# KiCad board pq-register.kicad_pcb
title: P&Q Register; date: 2026-06-28; rev: A; company: © 2026 Sam Hanes, licensed CERN-OHL-W v2; note: https://github.com/Elemecca/lgp21-mini
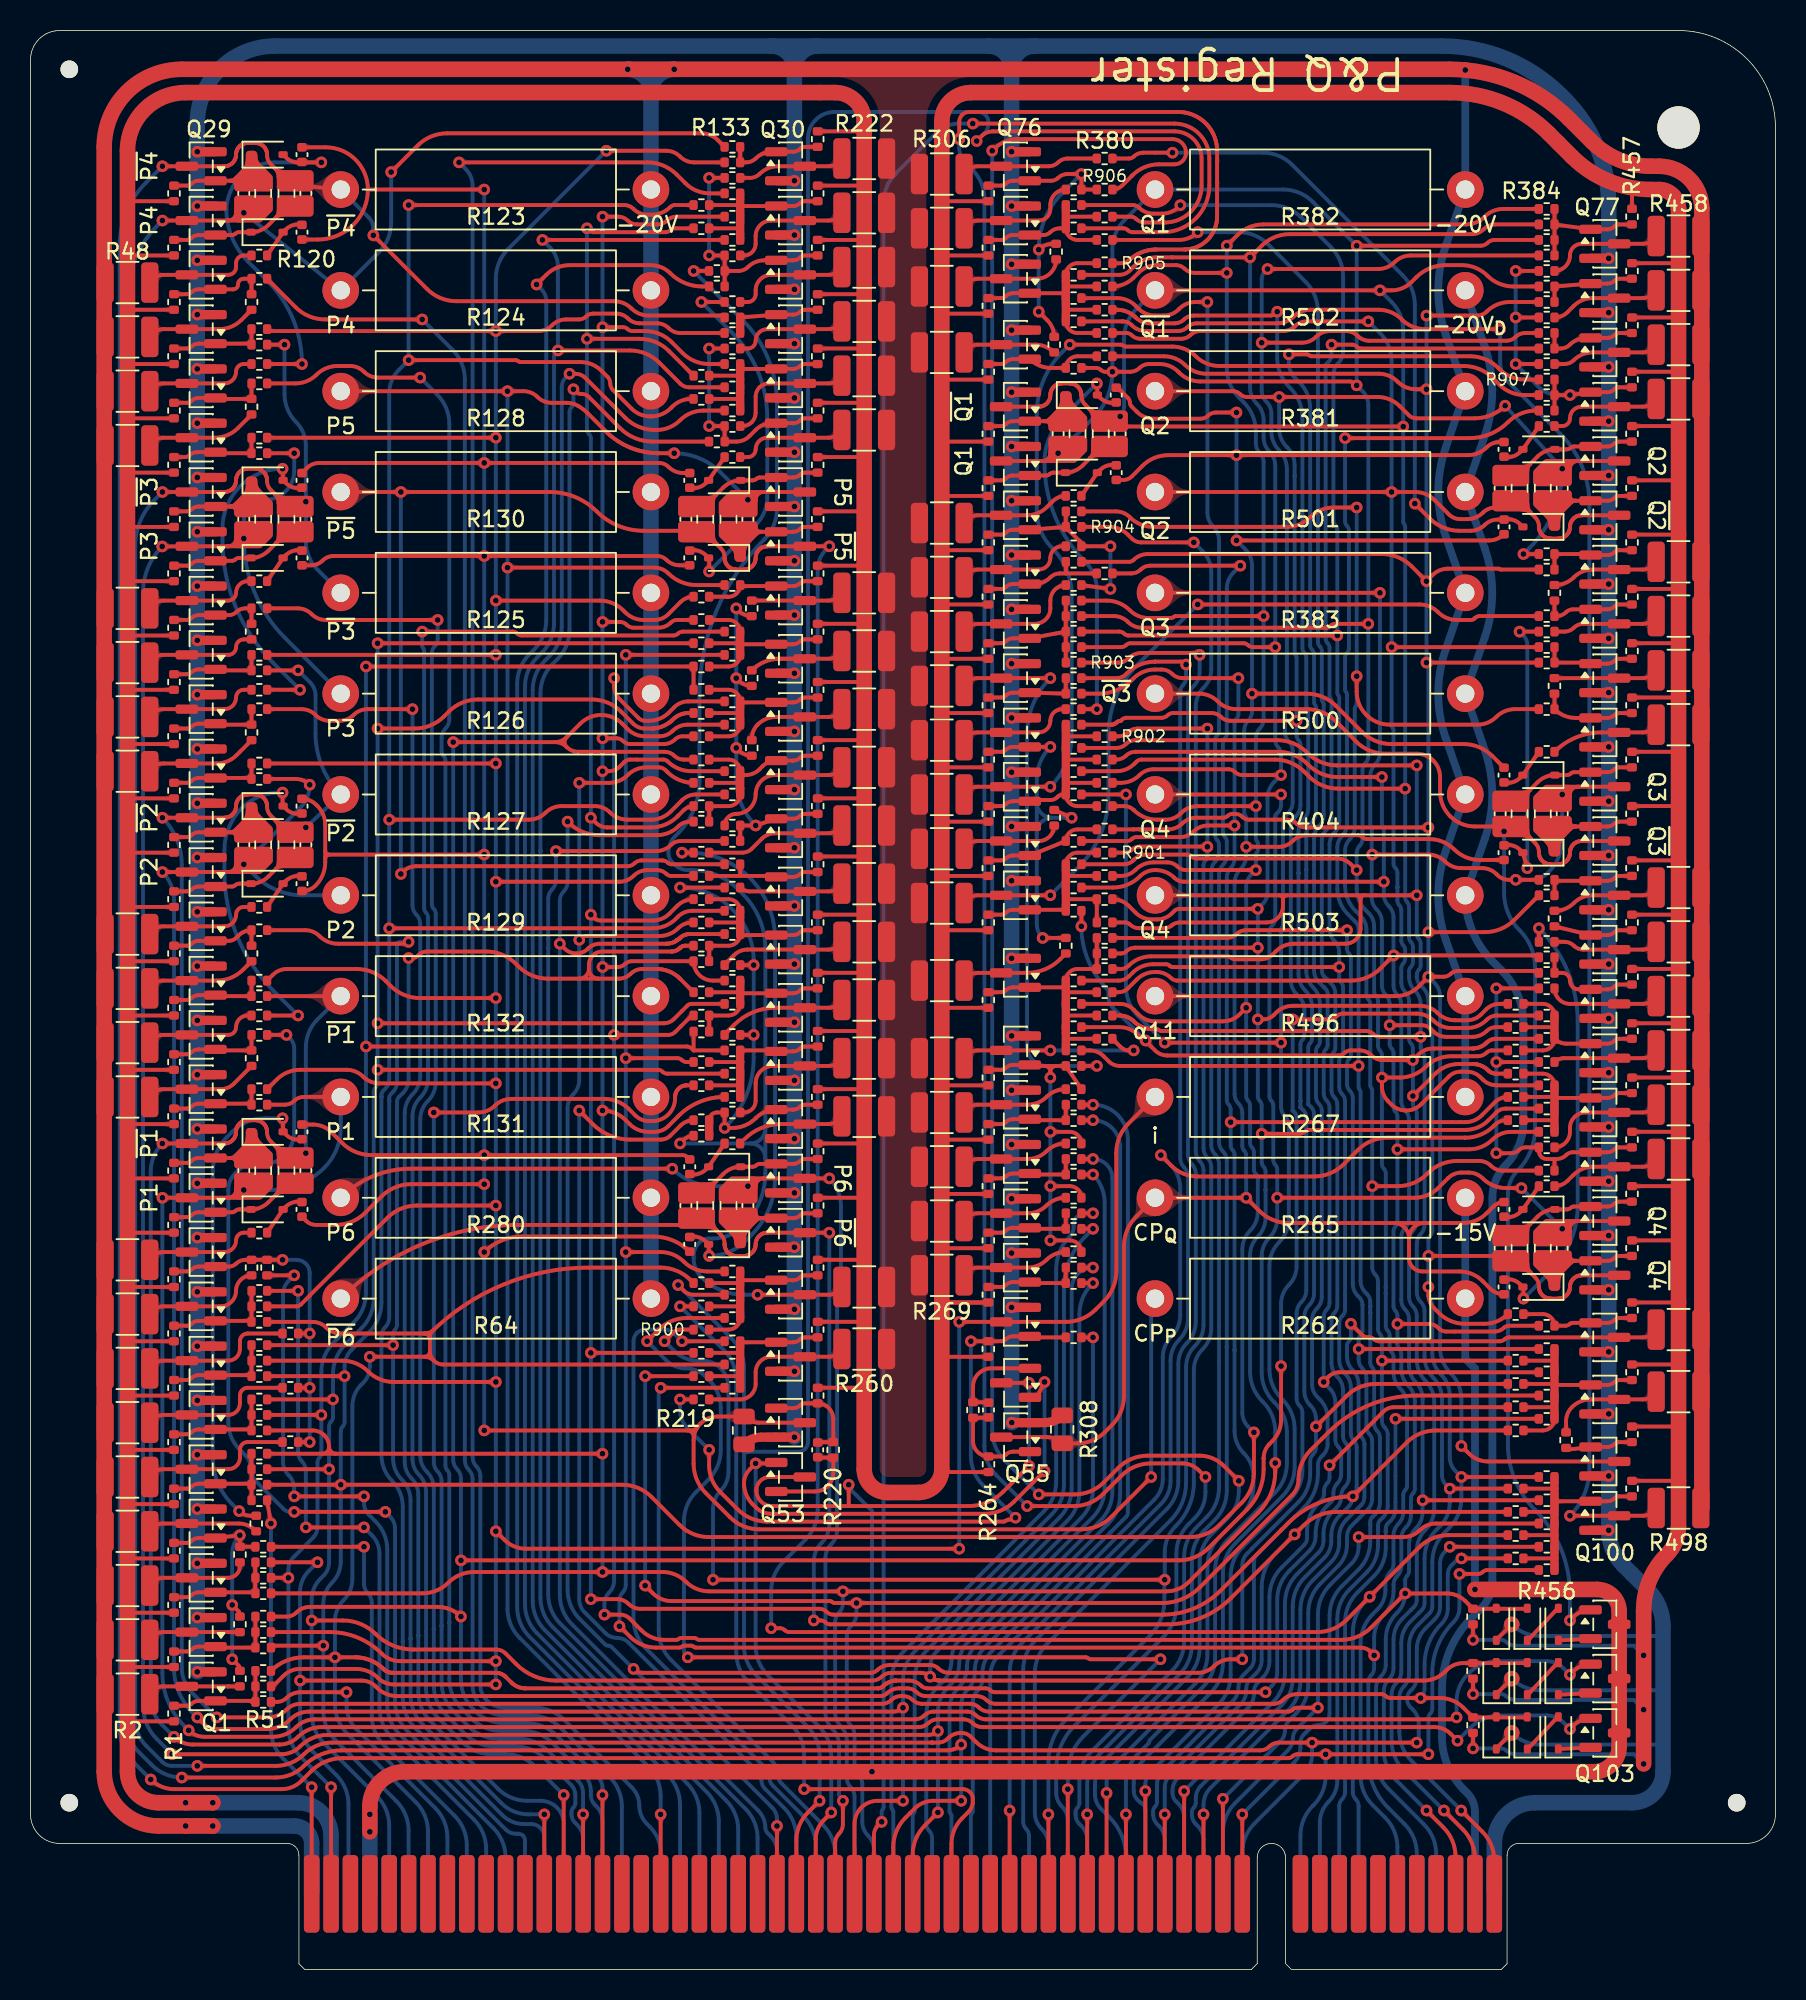
[diagram p0: board, top side]
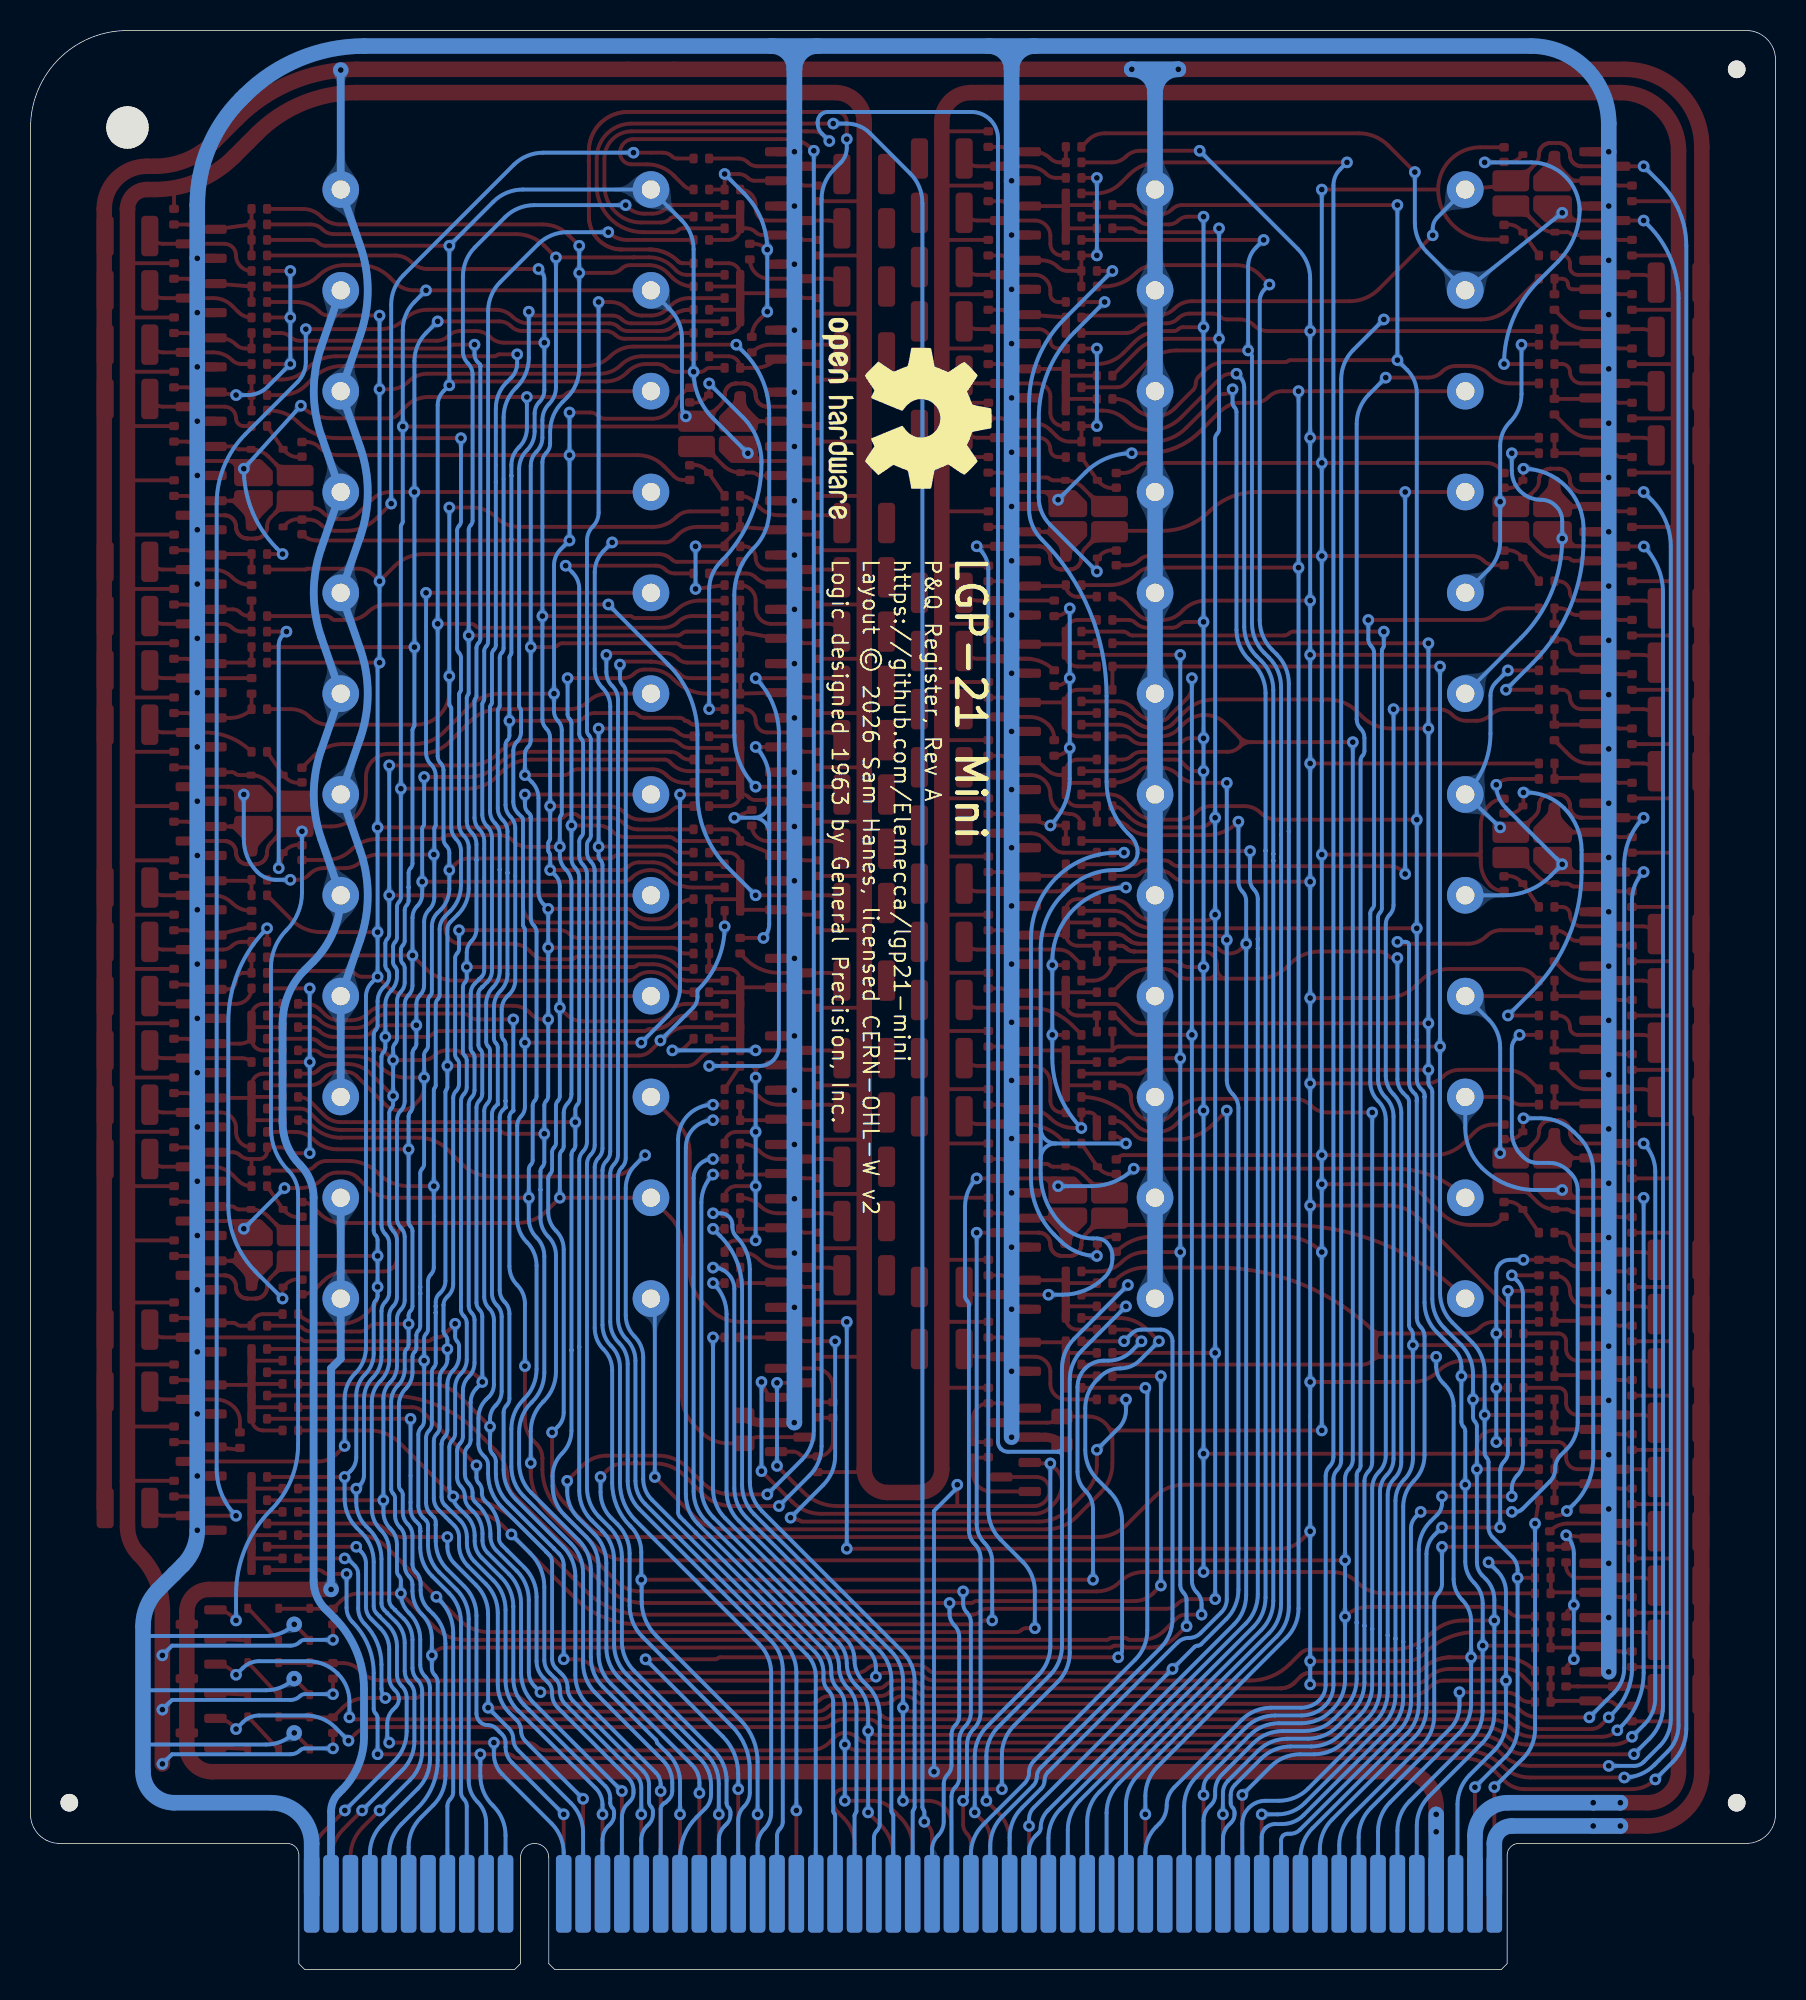
[diagram p1: board, bottom side, seen from below]

Outline 114.3 x 127 mm; copper layers: Top, Bottom. Coordinates in mm from the lower left corner of the outline.
Outline path: 90.68,127 1.91,127 arc(0.56,126.44) 0,125.09 0,10.16 arc(0.56,8.81) 1.91,8.25 16.81,8.25 ; 97.49,8.25 112.39,8.25 arc(113.74,8.81) 114.3,10.16 114.3,109.22
Stack: Top 0.035mm / dielectric 1.51mm FR4 er 4.5 / Bottom 0.035mm / dielectric 0mm FR4 er 4.5

## Placement (name value [footprint] x y rotation side)
C1  120p  [C_0402_1005Metric]  18.03 52.32 90 top
C2  680p  [C_0402_1005Metric]  17.78 49.78 270 top
C3  680p  [C_0402_1005Metric]  17.78 54.86 90 top
C4  120p  [C_0402_1005Metric]  13.97 52.32 90 top
C5  120p  [C_0402_1005Metric]  18.03 73.66 90 top
C6  680p  [C_0402_1005Metric]  17.78 71.12 270 top
C7  680p  [C_0402_1005Metric]  17.78 76.2 90 top
C8  120p  [C_0402_1005Metric]  13.97 73.66 90 top
C9  120p  [C_0402_1005Metric]  18.03 95 90 top
C10  680p  [C_0402_1005Metric]  17.78 92.46 270 top
C11  680p  [C_0402_1005Metric]  17.78 97.54 90 top
C12  120p  [C_0402_1005Metric]  13.97 95 90 top
C13  120p  [C_0402_1005Metric]  18.03 116.33 90 top
C14  680p  [C_0402_1005Metric]  17.78 113.79 270 top
C15  680p  [C_0402_1005Metric]  17.78 118.87 90 top
C16  120p  [C_0402_1005Metric]  13.97 116.33 90 top
C17  120p  [C_0402_1005Metric]  42.93 95 270 top
C18  680p  [C_0402_1005Metric]  43.18 97.54 90 top
C19  680p  [C_0402_1005Metric]  43.18 92.46 270 top
C20  120p  [C_0402_1005Metric]  46.99 95 270 top
C21  120p  [C_0402_1005Metric]  42.93 50.04 270 top
C22  680p  [C_0402_1005Metric]  43.18 52.58 90 top
C23  680p  [C_0402_1005Metric]  43.18 47.5 270 top
C24  120p  [C_0402_1005Metric]  46.99 50.04 270 top
C25  680p  [C_0402_1005Metric]  51.56 34.04 90 top
C26  680p  [C_0402_1005Metric]  62.75 36.65 270 top
C27  120p  [C_0402_1005Metric]  71.37 100.58 90 top
C28  680p  [C_0402_1005Metric]  71.12 98.04 270 top
C29  680p  [C_0402_1005Metric]  71.12 103.12 90 top
C30  120p  [C_0402_1005Metric]  67.31 100.58 90 top
C31  120p  [C_0402_1005Metric]  96.27 97.03 270 top
C32  680p  [C_0402_1005Metric]  96.52 99.57 90 top
C33  680p  [C_0402_1005Metric]  96.52 94.49 270 top
C34  120p  [C_0402_1005Metric]  100.33 97.03 270 top
C35  120p  [C_0402_1005Metric]  96.27 75.69 270 top
C36  680p  [C_0402_1005Metric]  96.52 78.23 90 top
C37  680p  [C_0402_1005Metric]  96.52 73.15 270 top
C38  120p  [C_0402_1005Metric]  100.33 75.69 270 top
C39  120p  [C_0402_1005Metric]  96.27 47.24 270 top
C40  680p  [C_0402_1005Metric]  96.52 49.78 90 top
C41  680p  [C_0402_1005Metric]  96.52 44.7 270 top
C42  120p  [C_0402_1005Metric]  100.33 47.24 270 top
CR1  1N5819WS  [D_SOD-323]  15.49 49.78 0 top
CR2  1N5819WS  [D_SOD-323]  15.49 54.86 0 top
CR3  1N5819WS  [D_SOD-323]  15.49 71.12 0 top
CR4  1N5819WS  [D_SOD-323]  15.49 76.2 0 top
CR5  1N5819WS  [D_SOD-323]  15.49 92.46 0 top
CR6  1N5819WS  [D_SOD-323]  15.49 97.54 0 top
CR7  1N5819WS  [D_SOD-323]  15.49 113.79 0 top
CR8  1N5819WS  [D_SOD-323]  15.49 118.87 0 top
CR9  1N5819WS  [D_SOD-323]  45.47 97.54 180 top
CR10  1N5819WS  [D_SOD-323]  45.47 92.46 180 top
CR11  1N5819WS  [D_SOD-323]  45.47 52.58 180 top
CR12  1N5819WS  [D_SOD-323]  45.47 47.5 180 top
CR13  1N5819WS  [D_SOD-323]  68.83 98.04 0 top
CR14  1N5819WS  [D_SOD-323]  68.83 103.12 0 top
CR15  1N5819WS  [D_SOD-323]  98.81 99.57 180 top
CR16  1N5819WS  [D_SOD-323]  98.81 94.49 180 top
CR17  1N5819WS  [D_SOD-323]  98.81 78.23 180 top
CR18  1N5819WS  [D_SOD-323]  98.81 73.15 180 top
CR19  1N5819WS  [D_SOD-323]  98.81 49.78 180 top
CR20  1N5819WS  [D_SOD-323]  98.81 44.7 180 top
CR21  1N5819WS  [D_SOD-323]  96.01 22.61 90 top
CR22  1N5819WS  [D_SOD-323]  98.04 22.61 90 top
CR23  1N5819WS  [D_SOD-323]  100.08 22.61 90 top
CR24  1N5819WS  [D_SOD-323]  96.01 15.49 90 top
CR25  1N5819WS  [D_SOD-323]  96.01 19.05 90 top
CR26  1N5819WS  [D_SOD-323]  98.04 19.05 90 top
CR27  1N5819WS  [D_SOD-323]  100.08 19.05 90 top
CR28  1N5819WS  [D_SOD-323]  98.04 15.49 90 top
CR29  1N5819WS  [D_SOD-323]  100.08 15.49 90 top
MH1  Bivar CP-26 WE  [Bivar_CP-26_WE]  107.95 120.65 180 bottom
P1  Card Edge  [Bus_PCI_5V_32bit]  57.15 8.25 0 top
Q1  MMBT5401  [SOT-23]  11.18 18.54 180 top
Q2  MMBT5401  [SOT-23]  11.18 22.1 180 top
Q3  MMBT5401  [SOT-23]  11.18 25.65 180 top
Q4  MMBT5401  [SOT-23]  11.18 29.21 180 top
Q5  MMBT5401  [SOT-23]  11.18 32.77 180 top
Q6  MMBT5401  [SOT-23]  11.18 36.32 180 top
Q7  MMBT5401  [SOT-23]  11.18 39.88 180 top
Q8  MMBT5401  [SOT-23]  11.18 43.43 180 top
Q9  MMBT5401  [SOT-23]  11.18 46.99 180 top
Q10  MMBT5401  [SOT-23]  11.18 50.55 180 top
Q11  MMBT5401  [SOT-23]  11.18 54.1 180 top
Q12  MMBT5401  [SOT-23]  11.18 57.66 180 top
Q13  MMBT5401  [SOT-23]  11.18 61.21 180 top
Q14  MMBT5401  [SOT-23]  11.18 64.77 180 top
Q15  MMBT5401  [SOT-23]  11.18 68.33 180 top
Q16  MMBT5401  [SOT-23]  11.18 71.88 180 top
Q17  MMBT5401  [SOT-23]  11.18 75.44 180 top
Q18  MMBT5401  [SOT-23]  11.18 78.99 180 top
Q19  MMBT5401  [SOT-23]  11.18 82.55 180 top
Q20  MMBT5401  [SOT-23]  11.18 86.11 180 top
Q21  MMBT5401  [SOT-23]  11.18 89.66 180 top
Q22  MMBT5401  [SOT-23]  11.18 93.22 180 top
Q23  MMBT5401  [SOT-23]  11.18 96.77 180 top
Q24  MMBT5401  [SOT-23]  11.18 100.33 180 top
Q25  MMBT5401  [SOT-23]  11.18 103.89 180 top
Q26  MMBT5401  [SOT-23]  11.18 107.44 180 top
Q27  MMBT5401  [SOT-23]  11.18 111 180 top
Q28  MMBT5401  [SOT-23]  11.18 114.55 180 top
Q29  MMBT5401  [SOT-23]  11.18 118.11 180 top
Q30  MMBT5401  [SOT-23]  49.78 118.11 0 top
Q31  MMBT5401  [SOT-23]  49.78 114.55 0 top
Q32  MMBT5401  [SOT-23]  49.78 111 0 top
Q33  MMBT5401  [SOT-23]  49.78 107.44 0 top
Q34  MMBT5401  [SOT-23]  49.78 103.89 0 top
Q35  MMBT5401  [SOT-23]  49.78 100.33 0 top
Q36  MMBT5401  [SOT-23]  49.78 96.77 0 top
Q37  MMBT5401  [SOT-23]  49.78 93.22 0 top
Q38  MMBT5401  [SOT-23]  49.78 89.66 0 top
Q39  MMBT5401  [SOT-23]  49.78 85.85 0 top
Q40  MMBT5401  [SOT-23]  49.78 82.04 0 top
Q41  MMBT5401  [SOT-23]  49.78 78.23 0 top
Q42  MMBT5401  [SOT-23]  49.78 74.42 0 top
Q43  MMBT5401  [SOT-23]  49.78 70.61 0 top
Q44  MMBT5401  [SOT-23]  49.78 66.8 0 top
Q45  MMBT5401  [SOT-23]  49.78 62.99 0 top
Q46  MMBT5401  [SOT-23]  49.78 59.18 0 top
Q47  MMBT5401  [SOT-23]  49.78 55.37 0 top
Q48  MMBT5401  [SOT-23]  49.78 51.82 0 top
Q49  MMBT5401  [SOT-23]  49.78 48.26 0 top
Q50  MMBT5401  [SOT-23]  49.78 44.2 0 top
Q51  MMBT5401  [SOT-23]  49.78 40.13 0 top
Q52  MMBT5401  [SOT-23]  49.78 35.81 0 top
Q53  MMBT5401  [SOT-23]  49.78 32.26 0 top
Q54  MMBT5401  [SOT-23]  64.53 38.42 180 top
Q55  MMBT5401  [SOT-23]  64.53 34.87 180 top
Q56  MMBT5401  [SOT-23]  64.52 42.42 180 top
Q57  MMBT5401  [SOT-23]  64.52 45.97 180 top
Q58  MMBT5401  [SOT-23]  64.52 49.53 180 top
Q59  MMBT5401  [SOT-23]  64.52 53.09 180 top
Q60  MMBT5401  [SOT-23]  64.52 56.64 180 top
Q61  MMBT5401  [SOT-23]  64.52 60.2 180 top
Q62  MMBT5401  [SOT-23]  64.52 65.28 180 top
Q63  MMBT5401  [SOT-23]  64.52 70.36 180 top
Q64  MMBT5401  [SOT-23]  64.52 73.91 180 top
Q65  MMBT5401  [SOT-23]  64.52 77.47 180 top
Q66  MMBT5401  [SOT-23]  64.52 81.03 180 top
Q67  MMBT5401  [SOT-23]  64.52 84.58 180 top
Q68  MMBT5401  [SOT-23]  64.52 88.14 180 top
Q69  MMBT5401  [SOT-23]  64.52 91.69 180 top
Q70  MMBT5401  [SOT-23]  64.52 95.25 180 top
Q71  MMBT5401  [SOT-23]  64.52 98.81 180 top
Q72  MMBT5401  [SOT-23]  64.52 102.36 180 top
Q73  MMBT5401  [SOT-23]  64.52 106.43 180 top
Q74  MMBT5401  [SOT-23]  64.52 110.74 180 top
Q75  MMBT5401  [SOT-23]  64.52 114.55 180 top
Q76  MMBT5401  [SOT-23]  64.52 118.11 180 top
Q77  MMBT5401  [SOT-23]  103.12 113.03 0 top
Q78  MMBT5401  [SOT-23]  103.12 109.47 0 top
Q79  MMBT5401  [SOT-23]  103.12 105.92 0 top
Q80  MMBT5401  [SOT-23]  103.12 102.36 0 top
Q81  MMBT5401  [SOT-23]  103.12 98.81 0 top
Q82  MMBT5401  [SOT-23]  103.12 95.25 0 top
Q83  MMBT5401  [SOT-23]  103.12 91.69 0 top
Q84  MMBT5401  [SOT-23]  103.12 88.14 0 top
Q85  MMBT5401  [SOT-23]  103.12 84.58 0 top
Q86  MMBT5401  [SOT-23]  103.12 81.03 0 top
Q87  MMBT5401  [SOT-23]  103.12 77.47 0 top
Q88  MMBT5401  [SOT-23]  103.12 73.91 0 top
Q89  MMBT5401  [SOT-23]  103.12 70.36 0 top
Q90  MMBT5401  [SOT-23]  103.12 66.8 0 top
Q91  MMBT5401  [SOT-23]  103.12 63.25 0 top
Q92  MMBT5401  [SOT-23]  103.12 59.69 0 top
Q93  MMBT5401  [SOT-23]  103.12 56.13 0 top
Q94  MMBT5401  [SOT-23]  103.12 52.58 0 top
Q95  MMBT5401  [SOT-23]  103.12 49.02 0 top
Q96  MMBT5401  [SOT-23]  103.12 45.47 0 top
Q97  MMBT5401  [SOT-23]  103.12 41.4 0 top
Q98  MMBT5401  [SOT-23]  103.12 37.34 0 top
Q99  MMBT5401  [SOT-23]  103.12 33.27 0 top
Q100  MMBT5401  [SOT-23]  103.12 29.72 0 top
Q101  MMBT5401  [SOT-23]  103.12 22.61 0 top
Q102  MMBT5401  [SOT-23]  103.12 19.05 0 top
Q103  MMBT5401  [SOT-23]  103.12 15.49 0 top
R1  56k  [R_0402_1005Metric]  9.4 16.76 270 top
R2  2k ½W  [R_1210_3225Metric]  6.35 18.03 0 top
R3  56k  [R_0402_1005Metric]  9.4 20.32 270 top
R4  2k ½W  [R_1210_3225Metric]  6.35 21.59 0 top
R5  56k  [R_0402_1005Metric]  9.4 23.88 270 top
R6  2k ½W  [R_1210_3225Metric]  6.35 25.15 0 top
R7  56k  [R_0402_1005Metric]  9.4 27.43 270 top
R8  2k ½W  [R_1210_3225Metric]  6.35 28.7 0 top
R9  56k  [R_0402_1005Metric]  9.4 30.99 270 top
R10  2k ½W  [R_1210_3225Metric]  6.35 32.26 0 top
R11  56k  [R_0402_1005Metric]  9.4 34.54 270 top
R12  2k ½W  [R_1210_3225Metric]  6.35 35.81 0 top
R13  56k  [R_0402_1005Metric]  9.4 38.1 270 top
R14  2k ½W  [R_1210_3225Metric]  6.35 39.37 0 top
R15  56k  [R_0402_1005Metric]  9.4 41.66 270 top
R16  2k ½W  [R_1210_3225Metric]  6.35 42.93 0 top
R17  56k  [R_0402_1005Metric]  9.4 45.21 270 top
R18  2k ½W  [R_1210_3225Metric]  6.35 46.48 0 top
R19  33k  [R_0402_1005Metric]  9.4 48.77 270 top
R20  33k  [R_0402_1005Metric]  9.4 52.32 270 top
R21  56k  [R_0402_1005Metric]  9.4 55.88 270 top
R22  2k ½W  [R_1210_3225Metric]  6.35 57.15 0 top
R23  56k  [R_0402_1005Metric]  9.4 59.44 270 top
R24  2k ½W  [R_1210_3225Metric]  6.35 60.71 0 top
R25  56k  [R_0402_1005Metric]  9.4 62.99 270 top
R26  2k ½W  [R_1210_3225Metric]  6.35 64.26 0 top
R27  56k  [R_0402_1005Metric]  9.4 66.55 270 top
R28  2k ½W  [R_1210_3225Metric]  6.35 67.82 0 top
R29  33k  [R_0402_1005Metric]  9.4 70.1 270 top
R30  33k  [R_0402_1005Metric]  9.4 73.66 270 top
R31  56k  [R_0402_1005Metric]  9.4 77.22 270 top
R32  2k ½W  [R_1210_3225Metric]  6.35 78.49 0 top
R33  56k  [R_0402_1005Metric]  9.4 80.77 270 top
R34  2k ½W  [R_1210_3225Metric]  6.35 82.04 0 top
R35  56k  [R_0402_1005Metric]  9.4 84.33 270 top
R36  2k ½W  [R_1210_3225Metric]  6.35 85.6 0 top
R37  56k  [R_0402_1005Metric]  9.4 87.88 270 top
R38  2k ½W  [R_1210_3225Metric]  6.35 89.15 0 top
R39  33k  [R_0402_1005Metric]  9.4 91.44 270 top
R40  33k  [R_0402_1005Metric]  9.4 95 270 top
R41  56k  [R_0402_1005Metric]  9.4 98.55 270 top
R42  2k ½W  [R_1210_3225Metric]  6.35 99.82 0 top
R43  56k  [R_0402_1005Metric]  9.4 102.11 270 top
R44  2k ½W  [R_1210_3225Metric]  6.35 103.38 0 top
R45  56k  [R_0402_1005Metric]  9.4 105.66 270 top
R46  2k ½W  [R_1210_3225Metric]  6.35 106.93 0 top
R47  56k  [R_0402_1005Metric]  9.4 109.22 270 top
R48  2k ½W  [R_1210_3225Metric]  6.35 110.49 0 top
R49  33k  [R_0402_1005Metric]  9.4 112.78 270 top
R50  33k  [R_0402_1005Metric]  9.4 116.33 270 top
R51  15k  [R_0402_1005Metric]  15.24 17.53 180 top
R52  15k  [R_0402_1005Metric]  15.24 18.54 180 top
R53  15k  [R_0402_1005Metric]  15.24 19.56 180 top
R54  15k  [R_0402_1005Metric]  13.72 19.05 90 top
R55  15k  [R_0402_1005Metric]  15.24 21.08 180 top
R56  15k  [R_0402_1005Metric]  15.24 22.1 180 top
R57  15k  [R_0402_1005Metric]  15.24 23.11 180 top
R58  15k  [R_0402_1005Metric]  13.72 22.61 90 top
R59  15k  [R_0402_1005Metric]  15.24 24.64 180 top
R60  15k  [R_0402_1005Metric]  15.24 25.65 180 top
R61  15k  [R_0402_1005Metric]  15.24 26.67 180 top
R62  15k  [R_0402_1005Metric]  13.72 27.18 90 top
R63  15k  [R_0402_1005Metric]  15.24 27.69 180 top
R64  300R 3W  [R_Axial_DIN0516_L15.5mm_D5.0mm_P20.32mm_Horizontal]  40.64 43.94 180 top
R65  2k4  [R_0402_1005Metric]  14.78 29.21 90 top
R66  15k  [R_0402_1005Metric]  14.99 30.73 180 top
R67  15k  [R_0402_1005Metric]  14.99 31.75 180 top
R68  15k  [R_0402_1005Metric]  14.99 32.77 180 top
R69  15k  [R_0402_1005Metric]  14.99 33.78 180 top
R70  15k  [R_0402_1005Metric]  17.02 34.54 0 top
R71  15k  [R_0402_1005Metric]  14.99 35.31 180 top
R72  15k  [R_0402_1005Metric]  14.99 36.32 180 top
R73  15k  [R_0402_1005Metric]  14.99 37.34 180 top
R74  15k  [R_0402_1005Metric]  17.02 38.1 0 top
R75  15k  [R_0402_1005Metric]  14.99 38.86 180 top
R76  15k  [R_0402_1005Metric]  14.99 39.88 180 top
R77  15k  [R_0402_1005Metric]  14.99 40.89 180 top
R78  15k  [R_0402_1005Metric]  17.02 41.66 0 top
R79  15k  [R_0402_1005Metric]  14.99 42.42 180 top
R80  15k  [R_0402_1005Metric]  14.99 43.43 180 top
R81  15k  [R_0402_1005Metric]  14.99 44.45 180 top
R82  15k  [R_0402_1005Metric]  14.48 45.97 90 top
R83  15k  [R_0402_1005Metric]  15.49 45.97 90 top
R84  2k4  [R_0402_1005Metric]  14.99 48.26 180 top
R85  2k4 ¼W  [R_0603_1608Metric]  16.76 52.32 270 top
R86  2k4 ¼W  [R_0603_1608Metric]  15.24 52.32 270 top
R87  15k  [R_0402_1005Metric]  14.99 56.64 180 top
R88  15k  [R_0402_1005Metric]  14.99 57.66 180 top
R89  15k  [R_0402_1005Metric]  14.48 59.69 90 top
R90  15k  [R_0402_1005Metric]  14.99 61.21 180 top
R91  2k4  [R_0402_1005Metric]  14.99 62.48 0 top
R92  15k  [R_0402_1005Metric]  14.99 63.75 180 top
R93  15k  [R_0402_1005Metric]  14.99 64.77 180 top
R94  15k  [R_0402_1005Metric]  14.48 66.55 90 top
R95  15k  [R_0402_1005Metric]  14.99 68.07 180 top
R96  2k4  [R_0402_1005Metric]  14.99 69.6 180 top
R97  2k4 ¼W  [R_0603_1608Metric]  16.76 73.66 270 top
R98  2k4 ¼W  [R_0603_1608Metric]  15.24 73.66 270 top
R99  15k  [R_0402_1005Metric]  14.99 77.98 180 top
R100  15k  [R_0402_1005Metric]  14.99 78.99 180 top
R101  15k  [R_0402_1005Metric]  14.48 81.03 90 top
R102  15k  [R_0402_1005Metric]  14.99 82.55 180 top
R103  2k4  [R_0402_1005Metric]  14.99 83.82 0 top
R104  15k  [R_0402_1005Metric]  14.99 85.09 180 top
R105  15k  [R_0402_1005Metric]  14.99 86.11 180 top
R106  15k  [R_0402_1005Metric]  14.48 87.63 90 top
R107  15k  [R_0402_1005Metric]  14.99 89.15 180 top
R108  2k4  [R_0402_1005Metric]  14.99 90.93 180 top
R109  2k4 ¼W  [R_0603_1608Metric]  16.76 95 270 top
R110  2k4 ¼W  [R_0603_1608Metric]  15.24 95 270 top
R111  15k  [R_0402_1005Metric]  14.99 99.31 180 top
R112  15k  [R_0402_1005Metric]  14.99 100.33 180 top
R113  15k  [R_0402_1005Metric]  14.48 102.36 90 top
R114  15k  [R_0402_1005Metric]  14.99 103.89 180 top
R115  2k4  [R_0402_1005Metric]  14.99 105.16 0 top
R116  15k  [R_0402_1005Metric]  14.99 106.43 180 top
R117  15k  [R_0402_1005Metric]  14.99 107.44 180 top
R118  15k  [R_0402_1005Metric]  14.48 109.22 90 top
R119  15k  [R_0402_1005Metric]  14.99 110.74 180 top
R120  2k4  [R_0402_1005Metric]  14.99 112.27 180 top
R121  2k4 ¼W  [R_0603_1608Metric]  16.76 116.33 270 top
R122  2k4 ¼W  [R_0603_1608Metric]  15.24 116.33 270 top
R123  300R 3W  [R_Axial_DIN0516_L15.5mm_D5.0mm_P20.32mm_Horizontal]  40.64 116.59 180 top
R124  300R 3W  [R_Axial_DIN0516_L15.5mm_D5.0mm_P20.32mm_Horizontal]  40.64 109.98 180 top
R125  300R 3W  [R_Axial_DIN0516_L15.5mm_D5.0mm_P20.32mm_Horizontal]  40.64 90.17 180 top
R126  300R 3W  [R_Axial_DIN0516_L15.5mm_D5.0mm_P20.32mm_Horizontal]  40.64 83.57 180 top
R127  300R 3W  [R_Axial_DIN0516_L15.5mm_D5.0mm_P20.32mm_Horizontal]  40.64 76.96 180 top
R128  300R 3W  [R_Axial_DIN0516_L15.5mm_D5.0mm_P20.32mm_Horizontal]  40.64 103.38 180 top
R129  300R 3W  [R_Axial_DIN0516_L15.5mm_D5.0mm_P20.32mm_Horizontal]  40.64 70.36 180 top
R130  300R 3W  [R_Axial_DIN0516_L15.5mm_D5.0mm_P20.32mm_Horizontal]  40.64 96.77 180 top
R131  300R 3W  [R_Axial_DIN0516_L15.5mm_D5.0mm_P20.32mm_Horizontal]  40.64 57.15 180 top
R132  300R 3W  [R_Axial_DIN0516_L15.5mm_D5.0mm_P20.32mm_Horizontal]  40.64 63.75 180 top
R133  15k  [R_0402_1005Metric]  45.97 119.38 0 top
R134  15k  [R_0402_1005Metric]  45.97 118.36 0 top
R135  15k  [R_0402_1005Metric]  45.97 117.35 180 top
R136  15k  [R_0402_1005Metric]  45.97 116.33 0 top
R137  15k  [R_0402_1005Metric]  43.94 115.57 0 top
R138  15k  [R_0402_1005Metric]  45.97 114.81 0 top
R139  15k  [R_0402_1005Metric]  43.94 114.05 0 top
R140  15k  [R_0402_1005Metric]  45.97 113.28 0 top
R141  15k  [R_0402_1005Metric]  45.97 112.27 180 top
R142  15k  [R_0402_1005Metric]  44.96 111.25 0 top
R143  15k  [R_0402_1005Metric]  44.96 110.24 0 top
R144  2k4  [R_0402_1005Metric]  45.97 109.22 180 top
R145  15k  [R_0402_1005Metric]  45.97 108.2 0 top
R146  15k  [R_0402_1005Metric]  45.97 107.19 0 top
R147  15k  [R_0402_1005Metric]  45.97 106.17 180 top
R148  15k  [R_0402_1005Metric]  45.97 105.16 0 top
R149  15k  [R_0402_1005Metric]  43.94 104.39 0 top
R150  15k  [R_0402_1005Metric]  45.97 103.63 0 top
R151  15k  [R_0402_1005Metric]  43.94 102.87 0 top
R152  15k  [R_0402_1005Metric]  45.97 102.11 0 top
R153  15k  [R_0402_1005Metric]  45.97 101.09 180 top
R154  15k  [R_0402_1005Metric]  44.96 100.08 0 top
R155  2k4  [R_0402_1005Metric]  45.97 99.06 0 top
R156  2k4 ¼W  [R_0603_1608Metric]  44.2 95 90 top
R157  2k4 ¼W  [R_0603_1608Metric]  45.72 95 90 top
R158  15k  [R_0402_1005Metric]  45.97 90.68 0 top
R159  15k  [R_0402_1005Metric]  43.94 89.92 0 top
R160  15k  [R_0402_1005Metric]  47.24 89.15 270 top
R161  15k  [R_0402_1005Metric]  43.94 88.39 0 top
R162  15k  [R_0402_1005Metric]  45.97 87.63 0 top
R163  15k  [R_0402_1005Metric]  43.94 86.87 0 top
R164  15k  [R_0402_1005Metric]  45.97 86.11 0 top
R165  15k  [R_0402_1005Metric]  43.94 85.34 0 top
R166  15k  [R_0402_1005Metric]  47.24 84.58 270 top
R167  15k  [R_0402_1005Metric]  43.94 83.82 0 top
R168  15k  [R_0402_1005Metric]  45.97 83.06 0 top
R169  15k  [R_0402_1005Metric]  43.94 82.3 0 top
R170  15k  [R_0402_1005Metric]  45.97 81.53 0 top
R171  15k  [R_0402_1005Metric]  43.94 80.77 0 top
R172  15k  [R_0402_1005Metric]  47.24 80.01 270 top
R173  15k  [R_0402_1005Metric]  43.94 79.25 0 top
R174  15k  [R_0402_1005Metric]  45.97 78.49 0 top